# Altium PCB PCB22.PcbDoc (part 5 of 16)
Units mm, origin at the board's own origin, x right, y up, seen from the top; angles counter-clockwise.
Board outline 233.7 x 110.51 mm, 4 copper layers (Top Layer, Layer 1, Layer 2, Bottom Layer), stack 0.603 mm thick; 1249 components, 1355 nets, 4549 pads, 1315 vias.
Unrouted connection lines stored in the file: 1569.
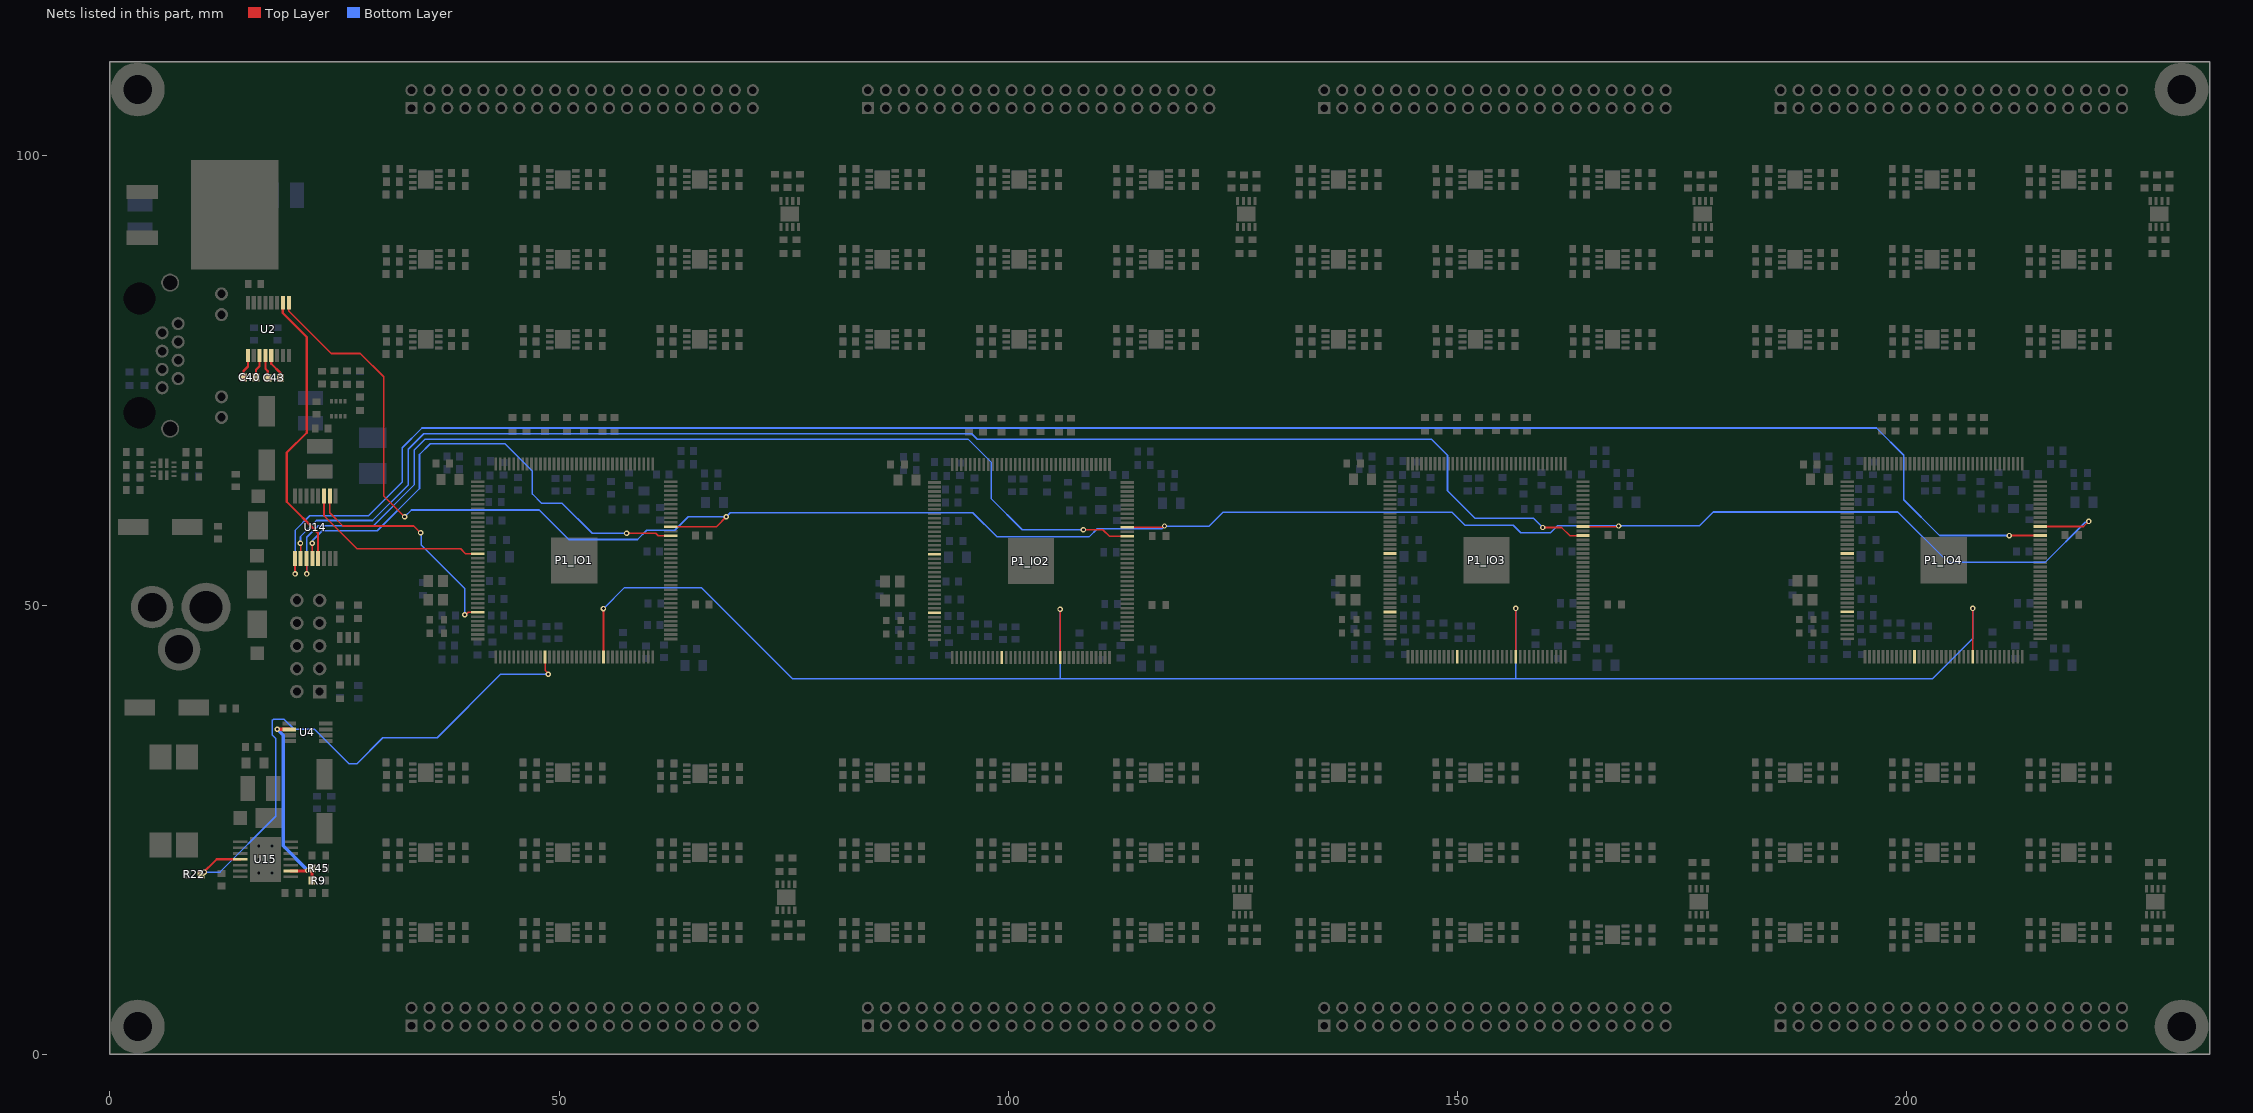
[diagram p7: the nets of this part, all layers, seen from the top]

## Part data (continued)
C20 C30 C31 C34_U_VoltageAmplifier11 C34_U_VoltageAmplifier12 C34_U_VoltageAmplifier13 C34_U_VoltageAmplifier14 C34_U_VoltageAmplifier21 C34_U_VoltageAmplifier22 C34_U_VoltageAmplifier23 C34_U_VoltageAmplifier24 C34_U_VoltageAmplifier31 C34_U_VoltageAmplifier32 C34_U_VoltageAmplifier33 C34_U_VoltageAmplifier34 C34_U_VoltageAmplifier41 C34_U_VoltageAmplifier42 C34_U_VoltageAmplifier43 C34_U_VoltageAmplifier44 C34_U_VoltageAmplifier51 C34_U_VoltageAmplifier52 C34_U_VoltageAmplifier53 C34_U_VoltageAmplifier54 C34_U_VoltageAmplifier61 C34_U_VoltageAmplifier62 C34_U_VoltageAmplifier63 C34_U_VoltageAmplifier64 C34_U_VoltageAmplifier71 C34_U_VoltageAmplifier72 C34_U_VoltageAmplifier73 C34_U_VoltageAmplifier74 C34_U_VoltageAmplifier81 C34_U_VoltageAmplifier82 C34_U_VoltageAmplifier83 C34_U_VoltageAmplifier84 C34_U_VoltageAmplifier91 C34_U_VoltageAmplifier92 C34_U_VoltageAmplifier93 C34_U_VoltageAmplifier94 C34_U_VoltageAmplifier101 C34_U_VoltageAmplifier102 C34_U_VoltageAmplifier103 C34_U_VoltageAmplifier104 C34_U_VoltageAmplifier111 C34_U_VoltageAmplifier112 C34_U_VoltageAmplifier113 C34_U_VoltageAmplifier114 C34_U_VoltageAmplifier121 C34_U_VoltageAmplifier122 C34_U_VoltageAmplifier123 C34_U_VoltageAmplifier124 C34_U_VoltageAmplifier131 C34_U_VoltageAmplifier132 C34_U_VoltageAmplifier133 C34_U_VoltageAmplifier134 C34_U_VoltageAmplifier141 C34_U_VoltageAmplifier142 C34_U_VoltageAmplifier143 C34_U_VoltageAmplifier144 C34_U_VoltageAmplifier151 C34_U_VoltageAmplifier152 C34_U_VoltageAmplifier153 C34_U_VoltageAmplifier154 C34_U_VoltageAmplifier161 C34_U_VoltageAmplifier162 C34_U_VoltageAmplifier163 C34_U_VoltageAmplifier164 C34_U_VoltageAmplifier171 C34_U_VoltageAmplifier172 C34_U_VoltageAmplifier173 C34_U_VoltageAmplifier174 C34_U_VoltageAmplifier181 C34_U_VoltageAmplifier182 C34_U_VoltageAmplifier183 C34_U_VoltageAmplifier184 C34_U_VoltageAmplifier191 C34_U_VoltageAmplifier192 C34_U_VoltageAmplifier193 C34_U_VoltageAmplifier194 C34_U_VoltageAmplifier201 C34_U_VoltageAmplifier202 C34_U_VoltageAmplifier203 C34_U_VoltageAmplifier204 C34_U_VoltageAmplifier211 C34_U_VoltageAmplifier212 C34_U_VoltageAmplifier213 C34_U_VoltageAmplifier214 C34_U_VoltageAmplifier221 C34_U_VoltageAmplifier222 C34_U_VoltageAmplifier223 C34_U_VoltageAmplifier224 C34_U_VoltageAmplifier231 C34_U_VoltageAmplifier232 C34_U_VoltageAmplifier233 C34_U_VoltageAmplifier234 C34_U_VoltageAmplifier241 C34_U_VoltageAmplifier242 C34_U_VoltageAmplifier243 C34_U_VoltageAmplifier244 C34_U_VoltageAmplifier251 C34_U_VoltageAmplifier252 C34_U_VoltageAmplifier253 C34_U_VoltageAmplifier254 C34_U_VoltageAmplifier261 C34_U_VoltageAmplifier262 C34_U_VoltageAmplifier263 C34_U_VoltageAmplifier264 C34_U_VoltageAmplifier271 C34_U_VoltageAmplifier272 C34_U_VoltageAmplifier273 C34_U_VoltageAmplifier274 C34_U_VoltageAmplifier281 C34_U_VoltageAmplifier282 C34_U_VoltageAmplifier283 C34_U_VoltageAmplifier284 C34_U_VoltageAmplifier291 C34_U_VoltageAmplifier292 C34_U_VoltageAmplifier293 C34_U_VoltageAmplifier294 C34_U_VoltageAmplifier301 C34_U_VoltageAmplifier302 C34_U_VoltageAmplifier303 C34_U_VoltageAmplifier304 C34_U_VoltageAmplifier311 C34_U_VoltageAmplifier312 C34_U_VoltageAmplifier313 C34_U_VoltageAmplifier314 C34_U_VoltageAmplifier321 C34_U_VoltageAmplifier322 C34_U_VoltageAmplifier323 C34_U_VoltageAmplifier324 C34_U_VoltageAmplifier331 C34_U_VoltageAmplifier332 C34_U_VoltageAmplifier333 C34_U_VoltageAmplifier334 C34_U_VoltageAmplifier341 C34_U_VoltageAmplifier342 C34_U_VoltageAmplifier343 C34_U_VoltageAmplifier344 C34_U_VoltageAmplifier351 C34_U_VoltageAmplifier352 C34_U_VoltageAmplifier353 C34_U_VoltageAmplifier354 C34_U_VoltageAmplifier361 C34_U_VoltageAmplifier362 C34_U_VoltageAmplifier363 C34_U_VoltageAmplifier364 C34_U_VoltageAmplifier371 C34_U_VoltageAmplifier372 C34_U_VoltageAmplifier373 C34_U_VoltageAmplifier374 C34_U_VoltageAmplifier381 C34_U_VoltageAmplifier382 C34_U_VoltageAmplifier383 C34_U_VoltageAmplifier384 C40 C41 C42 C43 C44: library part Cap, "Multilayer Ceramic Capacitors MLCC - SMD/SMT 50V 0.1uF 0603 X7R 20%", Mfr=KEMET, Mfr Part No=C0603C104M5RACTU, Package=0603, PRICE=0.101, Stockiest=MOUSER, Stockiest Part No=80-C0603C104M5R
C21: library part Cap, "Multilayer Ceramic Capacitors MLCC - SMD/SMT 63V 1000pF 0603 X7R 10% AEC-Q200", Mfr=KEMET, Mfr Part No=80-C0603C102KMREAUTO, Package=0603, PRICE=0.201, Stockiest=MOUSER, Stockiest Part No=C0603C102KMRECAUTO
C22: library part Cap, "Multilayer Ceramic Capacitors MLCC - SMD/SMT 0603 50VDC 6.8nF 5% C0G AEC-Q200", Mfr=TDK, Mfr Part No=CGA3E2C0G1H682J080AE, Package=0603, PRICE=0.363, Stockiest=MOUSER, Stockiest Part No=810-CGA3E2C0G1H682J8
C25 C36 C37 C38 C39: library part Cap, "Multilayer Ceramic Capacitors MLCC - SMD/SMT 50V 10pF 0603 C0G 5% AEC-Q200", Mfr=KEMET, Mfr Part No=C0603C100J5GACAUTO, Package=0603, PRICE=0.192, Stockiest=MOUSER, Stockiest Part No=80-C0603C100J5GAUTO
C32 C74 C75 C77 C78: library part Cap, "Multilayer Ceramic Capacitors MLCC - SMD/SMT 0603 2.2uF 20% 50VDC X5R", Mfr="Murata Electronics", Mfr Part No=GRM188R61H225ME11J, Package=0603, PRICE=0.333, Stockiest=MOUSER, Stockiest Part No=81-GRM188R61H225ME1J
C33 C73 C76 C79: library part "Cap Pol1", "Polarized Capacitor (Radial)", Mfr=Panasonic, Mfr Part No=EEE-FN1J100L, Package=SMD, PRICE=0.484, Stockiest=MOUSER, Stockiest Part No=667-EEE-FN1J100L
C35 C63: library part Cap, "Multilayer Ceramic Capacitors MLCC - SMD/SMT 50V 0.047uF 0603 X7R 10%", Mfr=KEMET, Mfr Part No=C0603C473K5RAC7411, Package=0603, PRICE=0.121, Stockiest=MOUSER, Stockiest Part No=80-C0603C473K5RLR
D1_IO1 D1_IO2 D1_IO3 D1_IO4 D2_IO1 D2_IO2 D2_IO3 D2_IO4 D3: library part LED, "Standard LEDs - SMD Red 631nm 14mcd 5mA", Mfr=Lite-On, Mfr Part No=LTST-C193KRKT-5A, Package=0603, PRICE=0.393, Stockiest=MOUSER, Stockiest Part No=859-LTSTC193KRKT5A
D4 D5 D6 D7: "Schottky Diodes & Rectifiers 8A 100V", Mfr="Vishay General Semiconductor", Mfr Part No=V8PAM10S-M3/H, PRICE=0.39, Stockiest=MOUSER, Stockiest Part No=78-V8PAM10S-M3/H
J1: "Modular Connectors / Ethernet Connectors R/A RJ45 SHEILDED 8 CONT Y/G LEDS", Mfr="Amphenol Commercial Products", Mfr Part No=RJHSE-5381, PRICE=1.77, Stockiest=MOUSER, Stockiest Part No=523-RJHSE-5381
J2: "Connector", Manufacturer_Name="CUI Devices", Mouser Part Number=490-PJ-002BH, Arrow Part Number=PJ-002BH, Arrow Price/Stock=https://www.arrow.com/en/products/pj-002bh/cui-devices, Datasheet Link=https://componentsearchengine.com/Datasheets/1/PJ-002BH.pdf, Height=11mm, Manufacturer_Part_Number=PJ-002BH, Mouser Price/Stock=https://www.mouser.co.uk/ProductDetail/CUI-Devices/PJ-002BH?qs=WyjlAZoYn51nOX1h%2FqpLlg%3D%3D
L1_POWER1 L1_POWER2 L1_POWER3 L1_POWER4 L3_POWER1 L3_POWER2 L3_POWER3 L3_POWER4: library part 0805_IND, "Ferrite Beads 100ohms 1A 60mOhms 0603 Ferrite Chip", Mfr=TDK, Mfr Part No=MPZ1608D101BTA00, Package=0603, PRICE=0.10, Stockiest=MOUSER, Stockiest Part No=810-MPZ1608D101BTA00
L4: library part INDUCTOR, "Fixed Inductors 2.2uH 20% High Temp AEC-Q200", Mfr="Vishay / Dale", Mfr Part No=IHLP1616BZER2R2M5A, PRICE=1.36, Stockiest=MOUSER, Stockiest Part No=70-IHLP1616BZR2R2M5A
L6: library part INDUCTOR, "Fixed Inductors 22uH 2.9A 20% SMD PWR INDUCTOR", Mfr=Sumida, Mfr Part No=CDRH124NP-220MC, PRICE=1.42, Stockiest=MOUSER, Stockiest Part No=851-CDRH124NP-220MC
P1_IO1 P1_IO2 P1_IO3 P1_IO4: "FPGA - Field Programmable Gate Array non-volatile FPGA, 101 I/O, 144EQFP", Mfr="Intel / Altera", Mfr Part No=10M04SCE144C8G, Package=EQFP144, PRICE=11.52, Stockiest=MOUSER, Stockiest Part No=989-10M04SCE144C8G
P3: library part "Header 5X2", "Header, 5-Pin, Dual row", Stockiest=MOUSER
P_E_1 P_E_2 P_E_3 P_E_4 P_O_1 P_O_2 P_O_3 P_O_4: "Headers & Wire Housings 2X20 POS VERT TIN", Mfr="TE Connectivity / AMP", Mfr Part No=2-826942-0, Package=DIN, PRICE=2.5, Stockiest=MOUSER, Stockiest Part No=571-2-826942-0
R1_IO1 R1_IO2 R1_IO3 R1_IO4 R2_IO1 R2_IO2 R2_IO3 R2_IO4 R3_IO1 R3_IO2 R3_IO3 R3_IO4 R4_IO1 R4_IO2 R4_IO3 R4_IO4 R5_IO1 R5_IO2 R5_IO3 R5_IO4 R6_IO1 R6_IO2 R6_IO3 R6_IO4 R7_IO1 R7_IO2 R7_IO3 R7_IO4 R9 R10 R11 R17 R22 R23 R24 R25 R30 R31 R32 R33 R34 R37 R44 R46: library part Res1, "Thick Film Resistors - SMD 0603 10Kohms 1% Anti-Sulfur AEC-Q200", Mfr="ROHM Semiconductor", Mfr Part No=SFR03EZPF1002, Package=0603, PRICE=0.101, Stockiest=MOUSER, Stockiest Part No=755-SFR03EZPF1002
R8_IO1 R8_IO2 R8_IO3 R8_IO4 R21_IO1 R21_IO2 R21_IO3 R21_IO4: library part Res1, "Thick Film Resistors - SMD 1/10Watt 220ohms 5% Commercial Use", Mfr="Vishay / Dale", Mfr Part No=CRCW0603220RJNEAC, Package=0603, PRICE=0.101, Stockiest=MOUSER, Stockiest Part No=71-CRCW0603220RJNEAC
R12 R13_IO1 R13_IO2 R13_IO3 R13_IO4 R26_U_VoltageAmplifier11 R26_U_VoltageAmplifier12 R26_U_VoltageAmplifier13 R26_U_VoltageAmplifier14 R26_U_VoltageAmplifier21 R26_U_VoltageAmplifier22 R26_U_VoltageAmplifier23 R26_U_VoltageAmplifier24 R26_U_VoltageAmplifier31 R26_U_VoltageAmplifier32 R26_U_VoltageAmplifier33 R26_U_VoltageAmplifier34 R26_U_VoltageAmplifier41 R26_U_VoltageAmplifier42 R26_U_VoltageAmplifier43 R26_U_VoltageAmplifier44 R26_U_VoltageAmplifier51 R26_U_VoltageAmplifier52 R26_U_VoltageAmplifier53 R26_U_VoltageAmplifier54 R26_U_VoltageAmplifier61 R26_U_VoltageAmplifier62 R26_U_VoltageAmplifier63 R26_U_VoltageAmplifier64 R26_U_VoltageAmplifier71 R26_U_VoltageAmplifier72 R26_U_VoltageAmplifier73 R26_U_VoltageAmplifier74 R26_U_VoltageAmplifier81 R26_U_VoltageAmplifier82 R26_U_VoltageAmplifier83 R26_U_VoltageAmplifier84 R26_U_VoltageAmplifier91 R26_U_VoltageAmplifier92 R26_U_VoltageAmplifier93 R26_U_VoltageAmplifier94 R26_U_VoltageAmplifier101 R26_U_VoltageAmplifier102 R26_U_VoltageAmplifier103 R26_U_VoltageAmplifier104 R26_U_VoltageAmplifier111 R26_U_VoltageAmplifier112 R26_U_VoltageAmplifier113 R26_U_VoltageAmplifier114 R26_U_VoltageAmplifier121 R26_U_VoltageAmplifier122 R26_U_VoltageAmplifier123 R26_U_VoltageAmplifier124 R26_U_VoltageAmplifier131 R26_U_VoltageAmplifier132 R26_U_VoltageAmplifier133 R26_U_VoltageAmplifier134 R26_U_VoltageAmplifier141 R26_U_VoltageAmplifier142 R26_U_VoltageAmplifier143 R26_U_VoltageAmplifier144 R26_U_VoltageAmplifier151 R26_U_VoltageAmplifier152 R26_U_VoltageAmplifier153 R26_U_VoltageAmplifier154 R26_U_VoltageAmplifier161 R26_U_VoltageAmplifier162 R26_U_VoltageAmplifier163 R26_U_VoltageAmplifier164 R26_U_VoltageAmplifier171 R26_U_VoltageAmplifier172 R26_U_VoltageAmplifier173 R26_U_VoltageAmplifier174 R26_U_VoltageAmplifier181 R26_U_VoltageAmplifier182 R26_U_VoltageAmplifier183 R26_U_VoltageAmplifier184 R26_U_VoltageAmplifier191 R26_U_VoltageAmplifier192 R26_U_VoltageAmplifier193 R26_U_VoltageAmplifier194 R26_U_VoltageAmplifier201 R26_U_VoltageAmplifier202 R26_U_VoltageAmplifier203 R26_U_VoltageAmplifier204 R26_U_VoltageAmplifier211 R26_U_VoltageAmplifier212 R26_U_VoltageAmplifier213 R26_U_VoltageAmplifier214 R26_U_VoltageAmplifier221 R26_U_VoltageAmplifier222 R26_U_VoltageAmplifier223 R26_U_VoltageAmplifier224 R26_U_VoltageAmplifier231 R26_U_VoltageAmplifier232 R26_U_VoltageAmplifier233 R26_U_VoltageAmplifier234 R26_U_VoltageAmplifier241 R26_U_VoltageAmplifier242 R26_U_VoltageAmplifier243 R26_U_VoltageAmplifier244 R26_U_VoltageAmplifier251 R26_U_VoltageAmplifier252 R26_U_VoltageAmplifier253 R26_U_VoltageAmplifier254 R26_U_VoltageAmplifier261 R26_U_VoltageAmplifier262 R26_U_VoltageAmplifier263 R26_U_VoltageAmplifier264 R26_U_VoltageAmplifier271 R26_U_VoltageAmplifier272 R26_U_VoltageAmplifier273 R26_U_VoltageAmplifier274 R26_U_VoltageAmplifier281 R26_U_VoltageAmplifier282 R26_U_VoltageAmplifier283 R26_U_VoltageAmplifier284 R26_U_VoltageAmplifier291 R26_U_VoltageAmplifier292 R26_U_VoltageAmplifier293 R26_U_VoltageAmplifier294 R26_U_VoltageAmplifier301 R26_U_VoltageAmplifier302 R26_U_VoltageAmplifier303 R26_U_VoltageAmplifier304 R26_U_VoltageAmplifier311 R26_U_VoltageAmplifier312 R26_U_VoltageAmplifier313 R26_U_VoltageAmplifier314 R26_U_VoltageAmplifier321 R26_U_VoltageAmplifier322 R26_U_VoltageAmplifier323 R26_U_VoltageAmplifier324 R26_U_VoltageAmplifier331 R26_U_VoltageAmplifier332 R26_U_VoltageAmplifier333 R26_U_VoltageAmplifier334 R26_U_VoltageAmplifier341 R26_U_VoltageAmplifier342 R26_U_VoltageAmplifier343 R26_U_VoltageAmplifier344 R26_U_VoltageAmplifier351 R26_U_VoltageAmplifier352 R26_U_VoltageAmplifier353 R26_U_VoltageAmplifier354 R26_U_VoltageAmplifier361 R26_U_VoltageAmplifier362 R26_U_VoltageAmplifier363 R26_U_VoltageAmplifier364 R26_U_VoltageAmplifier371 R26_U_VoltageAmplifier372 R26_U_VoltageAmplifier373 R26_U_VoltageAmplifier374 R26_U_VoltageAmplifier381 R26_U_VoltageAmplifier382 R26_U_VoltageAmplifier383 R26_U_VoltageAmplifier384 R28_U_VoltageAmplifier11 R28_U_VoltageAmplifier12 R28_U_VoltageAmplifier13 R28_U_VoltageAmplifier14 R28_U_VoltageAmplifier21 R28_U_VoltageAmplifier22 R28_U_VoltageAmplifier23 R28_U_VoltageAmplifier24 R28_U_VoltageAmplifier31 R28_U_VoltageAmplifier32 R28_U_VoltageAmplifier33 R28_U_VoltageAmplifier34 R28_U_VoltageAmplifier41 R28_U_VoltageAmplifier42 R28_U_VoltageAmplifier43 R28_U_VoltageAmplifier44 R28_U_VoltageAmplifier51 R28_U_VoltageAmplifier52 R28_U_VoltageAmplifier53 R28_U_VoltageAmplifier54 R28_U_VoltageAmplifier61 R28_U_VoltageAmplifier62 R28_U_VoltageAmplifier63 R28_U_VoltageAmplifier64 R28_U_VoltageAmplifier71 R28_U_VoltageAmplifier72 R28_U_VoltageAmplifier73 R28_U_VoltageAmplifier74 R28_U_VoltageAmplifier81 R28_U_VoltageAmplifier82 R28_U_VoltageAmplifier83 R28_U_VoltageAmplifier84 R28_U_VoltageAmplifier91 R28_U_VoltageAmplifier92 R28_U_VoltageAmplifier93 R28_U_VoltageAmplifier94 R28_U_VoltageAmplifier101 R28_U_VoltageAmplifier102 R28_U_VoltageAmplifier103 R28_U_VoltageAmplifier104 R28_U_VoltageAmplifier111 R28_U_VoltageAmplifier112 R28_U_VoltageAmplifier113 R28_U_VoltageAmplifier114 R28_U_VoltageAmplifier121 R28_U_VoltageAmplifier122 R28_U_VoltageAmplifier123 R28_U_VoltageAmplifier124 R28_U_VoltageAmplifier131 R28_U_VoltageAmplifier132 R28_U_VoltageAmplifier133 R28_U_VoltageAmplifier134 R28_U_VoltageAmplifier141 R28_U_VoltageAmplifier142 R28_U_VoltageAmplifier143 R28_U_VoltageAmplifier144 R28_U_VoltageAmplifier151 R28_U_VoltageAmplifier152 R28_U_VoltageAmplifier153 R28_U_VoltageAmplifier154 R28_U_VoltageAmplifier161 R28_U_VoltageAmplifier162 R28_U_VoltageAmplifier163 R28_U_VoltageAmplifier164 R28_U_VoltageAmplifier171 R28_U_VoltageAmplifier172 R28_U_VoltageAmplifier173 R28_U_VoltageAmplifier174 R28_U_VoltageAmplifier181 R28_U_VoltageAmplifier182 R28_U_VoltageAmplifier183 R28_U_VoltageAmplifier184 R28_U_VoltageAmplifier191 R28_U_VoltageAmplifier192 R28_U_VoltageAmplifier193 R28_U_VoltageAmplifier194 R28_U_VoltageAmplifier201 R28_U_VoltageAmplifier202 R28_U_VoltageAmplifier203 R28_U_VoltageAmplifier204 R28_U_VoltageAmplifier211 R28_U_VoltageAmplifier212 R28_U_VoltageAmplifier213 R28_U_VoltageAmplifier214 R28_U_VoltageAmplifier221 R28_U_VoltageAmplifier222 R28_U_VoltageAmplifier223 R28_U_VoltageAmplifier224 R28_U_VoltageAmplifier231 R28_U_VoltageAmplifier232 R28_U_VoltageAmplifier233 R28_U_VoltageAmplifier234 R28_U_VoltageAmplifier241 R28_U_VoltageAmplifier242 R28_U_VoltageAmplifier243 R28_U_VoltageAmplifier244 R28_U_VoltageAmplifier251 R28_U_VoltageAmplifier252 R28_U_VoltageAmplifier253 R28_U_VoltageAmplifier254 R28_U_VoltageAmplifier261 R28_U_VoltageAmplifier262 R28_U_VoltageAmplifier263 R28_U_VoltageAmplifier264 R28_U_VoltageAmplifier271 R28_U_VoltageAmplifier272 R28_U_VoltageAmplifier273 R28_U_VoltageAmplifier274 R28_U_VoltageAmplifier281 R28_U_VoltageAmplifier282 R28_U_VoltageAmplifier283 R28_U_VoltageAmplifier284 R28_U_VoltageAmplifier291 R28_U_VoltageAmplifier292 R28_U_VoltageAmplifier293 R28_U_VoltageAmplifier294 R28_U_VoltageAmplifier301 R28_U_VoltageAmplifier302 R28_U_VoltageAmplifier303 R28_U_VoltageAmplifier304 R28_U_VoltageAmplifier311 R28_U_VoltageAmplifier312 R28_U_VoltageAmplifier313 R28_U_VoltageAmplifier314 R28_U_VoltageAmplifier321 R28_U_VoltageAmplifier322 R28_U_VoltageAmplifier323 R28_U_VoltageAmplifier324 R28_U_VoltageAmplifier331 R28_U_VoltageAmplifier332 R28_U_VoltageAmplifier333 R28_U_VoltageAmplifier334 R28_U_VoltageAmplifier341 R28_U_VoltageAmplifier342 R28_U_VoltageAmplifier343 R28_U_VoltageAmplifier344 R28_U_VoltageAmplifier351 R28_U_VoltageAmplifier352 R28_U_VoltageAmplifier353 R28_U_VoltageAmplifier354 R28_U_VoltageAmplifier361 R28_U_VoltageAmplifier362 R28_U_VoltageAmplifier363 R28_U_VoltageAmplifier364 R28_U_VoltageAmplifier371 R28_U_VoltageAmplifier372 R28_U_VoltageAmplifier373 R28_U_VoltageAmplifier374 R28_U_VoltageAmplifier381 R28_U_VoltageAmplifier382 R28_U_VoltageAmplifier383 R28_U_VoltageAmplifier384 R38 R43 R49: library part Res1, "Resistor", Mfr="Vishay / Dale", Mfr Part No=CRCW06031K00FKEAC, Package=0603, PRICE=0.1, Stockiest=MOUSER, Stockiest Part No=71-CRCW06031K00FKEAC
R14_IO1 R14_IO2 R14_IO3 R14_IO4 R20_IO1 R20_IO2 R20_IO3 R20_IO4: library part Res1, "Thick Film Resistors - SMD 1/10Watt 4.7Kohms 5% Commercial Use", Mfr="Vishay / Dale", Mfr Part No=CRCW06034K70JNEAC, Package=0603, PRICE=0.101, Stockiest=MOUSER, Stockiest Part No=71-CRCW06034K70JNEAC
R15: library part Res1, "Thick Film Resistors - SMD 0603 1% 604Kohm Anti-Sulfur AEC-Q200", Mfr=Panasonic, Mfr Part No=ERJ-U03F6043V, Package=0603, PRICE=0.221, Stockiest=MOUSER, Stockiest Part No=667-ERJ-U03F6043V
R16: library part Res1, "Thick Film Resistors - SMD 0603 0.25W 1% 20ohm AEC-Q200", Mfr=Panasonic, Mfr Part No=ERJ-UP3F20R0V, Package=0603, PRICE=0.262, Stockiest=MOUSER, Stockiest Part No=667-ERJ-UP3F20R0V
R18 R36 R42: library part Res1, "Thick Film Resistors - SMD 0603 Anti-Surge Res. 0.1%, 40.2Koh", Mfr=Panasonic, Mfr Part No=ERJ-PB3B4022V, Package=0603, PRICE=0.252, Stockiest=MOUSER, Stockiest Part No=667-ERJ-PB3B4022V
R19: library part Res1, "Thick Film Resistors - SMD 0603 Anti-Surge Res. 0.1%, 7.68Koh", Mfr=Panasonic, Mfr Part No=ERJ-PB3B7681V, Package=0603, PRICE=0.252, Stockiest=MOUSER, Stockiest Part No=667-ERJ-PB3B7681V
R27_U_VoltageAmplifier11 R27_U_VoltageAmplifier12 R27_U_VoltageAmplifier13 R27_U_VoltageAmplifier14 R27_U_VoltageAmplifier21 R27_U_VoltageAmplifier22 R27_U_VoltageAmplifier23 R27_U_VoltageAmplifier24 R27_U_VoltageAmplifier31 R27_U_VoltageAmplifier32 R27_U_VoltageAmplifier33 R27_U_VoltageAmplifier34 R27_U_VoltageAmplifier41 R27_U_VoltageAmplifier42 R27_U_VoltageAmplifier43 R27_U_VoltageAmplifier44 R27_U_VoltageAmplifier51 R27_U_VoltageAmplifier52 R27_U_VoltageAmplifier53 R27_U_VoltageAmplifier54 R27_U_VoltageAmplifier61 R27_U_VoltageAmplifier62 R27_U_VoltageAmplifier63 R27_U_VoltageAmplifier64 R27_U_VoltageAmplifier71 R27_U_VoltageAmplifier72 R27_U_VoltageAmplifier73 R27_U_VoltageAmplifier74 R27_U_VoltageAmplifier81 R27_U_VoltageAmplifier82 R27_U_VoltageAmplifier83 R27_U_VoltageAmplifier84 R27_U_VoltageAmplifier91 R27_U_VoltageAmplifier92 R27_U_VoltageAmplifier93 R27_U_VoltageAmplifier94 R27_U_VoltageAmplifier101 R27_U_VoltageAmplifier102 R27_U_VoltageAmplifier103 R27_U_VoltageAmplifier104 R27_U_VoltageAmplifier111 R27_U_VoltageAmplifier112 R27_U_VoltageAmplifier113 R27_U_VoltageAmplifier114 R27_U_VoltageAmplifier121 R27_U_VoltageAmplifier122 R27_U_VoltageAmplifier123 R27_U_VoltageAmplifier124 R27_U_VoltageAmplifier131 R27_U_VoltageAmplifier132 R27_U_VoltageAmplifier133 R27_U_VoltageAmplifier134 R27_U_VoltageAmplifier141 R27_U_VoltageAmplifier142 R27_U_VoltageAmplifier143 R27_U_VoltageAmplifier144 R27_U_VoltageAmplifier151 R27_U_VoltageAmplifier152 R27_U_VoltageAmplifier153 R27_U_VoltageAmplifier154 R27_U_VoltageAmplifier161 R27_U_VoltageAmplifier162 R27_U_VoltageAmplifier163 R27_U_VoltageAmplifier164 R27_U_VoltageAmplifier171 R27_U_VoltageAmplifier172 R27_U_VoltageAmplifier173 R27_U_VoltageAmplifier174 R27_U_VoltageAmplifier181 R27_U_VoltageAmplifier182 R27_U_VoltageAmplifier183 R27_U_VoltageAmplifier184 R27_U_VoltageAmplifier191 R27_U_VoltageAmplifier192 R27_U_VoltageAmplifier193 R27_U_VoltageAmplifier194 R27_U_VoltageAmplifier201 R27_U_VoltageAmplifier202 R27_U_VoltageAmplifier203 R27_U_VoltageAmplifier204 R27_U_VoltageAmplifier211 R27_U_VoltageAmplifier212 R27_U_VoltageAmplifier213 R27_U_VoltageAmplifier214 R27_U_VoltageAmplifier221 R27_U_VoltageAmplifier222 R27_U_VoltageAmplifier223 R27_U_VoltageAmplifier224 R27_U_VoltageAmplifier231 R27_U_VoltageAmplifier232 R27_U_VoltageAmplifier233 R27_U_VoltageAmplifier234 R27_U_VoltageAmplifier241 R27_U_VoltageAmplifier242 R27_U_VoltageAmplifier243 R27_U_VoltageAmplifier244 R27_U_VoltageAmplifier251 R27_U_VoltageAmplifier252 R27_U_VoltageAmplifier253 R27_U_VoltageAmplifier254 R27_U_VoltageAmplifier261 R27_U_VoltageAmplifier262 R27_U_VoltageAmplifier263 R27_U_VoltageAmplifier264 R27_U_VoltageAmplifier271 R27_U_VoltageAmplifier272 R27_U_VoltageAmplifier273 R27_U_VoltageAmplifier274 R27_U_VoltageAmplifier281 R27_U_VoltageAmplifier282 R27_U_VoltageAmplifier283 R27_U_VoltageAmplifier284 R27_U_VoltageAmplifier291 R27_U_VoltageAmplifier292 R27_U_VoltageAmplifier293 R27_U_VoltageAmplifier294 R27_U_VoltageAmplifier301 R27_U_VoltageAmplifier302 R27_U_VoltageAmplifier303 R27_U_VoltageAmplifier304 R27_U_VoltageAmplifier311 R27_U_VoltageAmplifier312 R27_U_VoltageAmplifier313 R27_U_VoltageAmplifier314 R27_U_VoltageAmplifier321 R27_U_VoltageAmplifier322 R27_U_VoltageAmplifier323 R27_U_VoltageAmplifier324 R27_U_VoltageAmplifier331 R27_U_VoltageAmplifier332 R27_U_VoltageAmplifier333 R27_U_VoltageAmplifier334 R27_U_VoltageAmplifier341 R27_U_VoltageAmplifier342 R27_U_VoltageAmplifier343 R27_U_VoltageAmplifier344 R27_U_VoltageAmplifier351 R27_U_VoltageAmplifier352 R27_U_VoltageAmplifier353 R27_U_VoltageAmplifier354 R27_U_VoltageAmplifier361 R27_U_VoltageAmplifier362 R27_U_VoltageAmplifier363 R27_U_VoltageAmplifier364 R27_U_VoltageAmplifier371 R27_U_VoltageAmplifier372 R27_U_VoltageAmplifier373 R27_U_VoltageAmplifier374 R27_U_VoltageAmplifier381 R27_U_VoltageAmplifier382 R27_U_VoltageAmplifier383 R27_U_VoltageAmplifier384 R29_U_VoltageAmplifier11 R29_U_VoltageAmplifier12 R29_U_VoltageAmplifier13 R29_U_VoltageAmplifier14 R29_U_VoltageAmplifier21 R29_U_VoltageAmplifier22 R29_U_VoltageAmplifier23 R29_U_VoltageAmplifier24 R29_U_VoltageAmplifier31 R29_U_VoltageAmplifier32 R29_U_VoltageAmplifier33 R29_U_VoltageAmplifier34 R29_U_VoltageAmplifier41 R29_U_VoltageAmplifier42 R29_U_VoltageAmplifier43 R29_U_VoltageAmplifier44 R29_U_VoltageAmplifier51 R29_U_VoltageAmplifier52 R29_U_VoltageAmplifier53 R29_U_VoltageAmplifier54 R29_U_VoltageAmplifier61 R29_U_VoltageAmplifier62 R29_U_VoltageAmplifier63 R29_U_VoltageAmplifier64 R29_U_VoltageAmplifier71 R29_U_VoltageAmplifier72 R29_U_VoltageAmplifier73 R29_U_VoltageAmplifier74 R29_U_VoltageAmplifier81 R29_U_VoltageAmplifier82 R29_U_VoltageAmplifier83 R29_U_VoltageAmplifier84 R29_U_VoltageAmplifier91 R29_U_VoltageAmplifier92 R29_U_VoltageAmplifier93 R29_U_VoltageAmplifier94 R29_U_VoltageAmplifier101 R29_U_VoltageAmplifier102 R29_U_VoltageAmplifier103 R29_U_VoltageAmplifier104 R29_U_VoltageAmplifier111 R29_U_VoltageAmplifier112 R29_U_VoltageAmplifier113 R29_U_VoltageAmplifier114 R29_U_VoltageAmplifier121 R29_U_VoltageAmplifier122 R29_U_VoltageAmplifier123 R29_U_VoltageAmplifier124 R29_U_VoltageAmplifier131 R29_U_VoltageAmplifier132 R29_U_VoltageAmplifier133 R29_U_VoltageAmplifier134 R29_U_VoltageAmplifier141 R29_U_VoltageAmplifier142 R29_U_VoltageAmplifier143 R29_U_VoltageAmplifier144 R29_U_VoltageAmplifier151 R29_U_VoltageAmplifier152 R29_U_VoltageAmplifier153 R29_U_VoltageAmplifier154 R29_U_VoltageAmplifier161 R29_U_VoltageAmplifier162 R29_U_VoltageAmplifier163 R29_U_VoltageAmplifier164 R29_U_VoltageAmplifier171 R29_U_VoltageAmplifier172 R29_U_VoltageAmplifier173 R29_U_VoltageAmplifier174 R29_U_VoltageAmplifier181 R29_U_VoltageAmplifier182 R29_U_VoltageAmplifier183 R29_U_VoltageAmplifier184 R29_U_VoltageAmplifier191 R29_U_VoltageAmplifier192 R29_U_VoltageAmplifier193 R29_U_VoltageAmplifier194 R29_U_VoltageAmplifier201 R29_U_VoltageAmplifier202 R29_U_VoltageAmplifier203 R29_U_VoltageAmplifier204 R29_U_VoltageAmplifier211 R29_U_VoltageAmplifier212 R29_U_VoltageAmplifier213 R29_U_VoltageAmplifier214 R29_U_VoltageAmplifier221 R29_U_VoltageAmplifier222 R29_U_VoltageAmplifier223 R29_U_VoltageAmplifier224 R29_U_VoltageAmplifier231 R29_U_VoltageAmplifier232 R29_U_VoltageAmplifier233 R29_U_VoltageAmplifier234 R29_U_VoltageAmplifier241 R29_U_VoltageAmplifier242 R29_U_VoltageAmplifier243 R29_U_VoltageAmplifier244 R29_U_VoltageAmplifier251 R29_U_VoltageAmplifier252 R29_U_VoltageAmplifier253 R29_U_VoltageAmplifier254 R29_U_VoltageAmplifier261 R29_U_VoltageAmplifier262 R29_U_VoltageAmplifier263 R29_U_VoltageAmplifier264 R29_U_VoltageAmplifier271 R29_U_VoltageAmplifier272 R29_U_VoltageAmplifier273 R29_U_VoltageAmplifier274 R29_U_VoltageAmplifier281 R29_U_VoltageAmplifier282 R29_U_VoltageAmplifier283 R29_U_VoltageAmplifier284 R29_U_VoltageAmplifier291 R29_U_VoltageAmplifier292 R29_U_VoltageAmplifier293 R29_U_VoltageAmplifier294 R29_U_VoltageAmplifier301 R29_U_VoltageAmplifier302 R29_U_VoltageAmplifier303 R29_U_VoltageAmplifier304 R29_U_VoltageAmplifier311 R29_U_VoltageAmplifier312 R29_U_VoltageAmplifier313 R29_U_VoltageAmplifier314 R29_U_VoltageAmplifier321 R29_U_VoltageAmplifier322 R29_U_VoltageAmplifier323 R29_U_VoltageAmplifier324 R29_U_VoltageAmplifier331 R29_U_VoltageAmplifier332 R29_U_VoltageAmplifier333 R29_U_VoltageAmplifier334 R29_U_VoltageAmplifier341 R29_U_VoltageAmplifier342 R29_U_VoltageAmplifier343 R29_U_VoltageAmplifier344 R29_U_VoltageAmplifier351 R29_U_VoltageAmplifier352 R29_U_VoltageAmplifier353 R29_U_VoltageAmplifier354 R29_U_VoltageAmplifier361 R29_U_VoltageAmplifier362 R29_U_VoltageAmplifier363 R29_U_VoltageAmplifier364 R29_U_VoltageAmplifier371 R29_U_VoltageAmplifier372 R29_U_VoltageAmplifier373 R29_U_VoltageAmplifier374 R29_U_VoltageAmplifier381 R29_U_VoltageAmplifier382 R29_U_VoltageAmplifier383 R29_U_VoltageAmplifier384: library part Res1, "Thick Film Resistors - SMD 1/10watt 160ohms 1%", Mfr="Vishay / Dale", Mfr Part No=CRCW0603160RFKEA, Package=0603, PRICE=0.1, Stockiest=MOUSER, Stockiest Part No=71-CRCW0603-160-E3
R35 R39 R41: library part Res1, "Thin Film Resistors - SMD 13K ohm 0.1% 25 ppm", Mfr="KOA Speer", Mfr Part No=RN73R1JTTD1302B25, Package=0603, PRICE=0.503, Stockiest=MOUSER, Stockiest Part No=660-RN73R1JTD1302B25
R40: library part Res1, "Thick Film Resistors - SMD 20K OHM .1% 25PPM", Mfr="KOA Speer", Mfr Part No=RS73F1JTTD2002B, Package=0603, PRICE=0.61, Stockiest=MOUSER, Stockiest Part No=660-RS73F1JTTD2002B
R45: library part Res1, "Thick Film Resistors - SMD High Precision Flat Chip Resistor 0.1%", Mfr="KOA Speer", Mfr Part No=RS73F1JTTD4123B, Package=0603, PRICE=0.8, Stockiest=MOUSER, Stockiest Part No=660-RS73F1JTTD4123B
R47: library part Res1, "Thick Film Resistors - SMD 0603 5.23Kohms 1% AEC-Q200", Mfr=Panasonic, Mfr Part No=ERJ-3EKF5231V, Package=0603, PRICE=0.101, Stockiest=MOUSER, Stockiest Part No=667-ERJ-3EKF5231V
R48: library part Res1, "Thick Film Resistors - SMD 0603 86.6Kohms 1% AEC-Q200", Mfr=Panasonic, Mfr Part No=ERJ-3EKF8662V, Package=0603, PRICE=0.101, Stockiest=MOUSER, Stockiest Part No=667-ERJ-3EKF8662V
U1_IO1 U1_IO2 U1_IO3 U1_IO4: library part CRYSTAL, "Standard Clock Oscillators 25.0 MHZ 3.3V 50PPM SMD 32", Mfr=ABRACON, Mfr Part No=ASE-25.000MHZ-LC-T, PRICE=1.42, Stockiest=MOUSER, Stockiest Part No=815-ASE25.000MHZLCT
U2: "RS-232 Interface IC 3-5.5V Mult-Ch RS232", Mfr="Texas Instruments", Mfr Part No=MAX3232CPWR, PRICE=0.94, Stockiest=MOUSER, Stockiest Part No=595-MAX3232CPWR
U3: "Switching Voltage Regulators High-Efficiency, 3A, 18V, 1200kHz, Synchronous, Step-Down Converter", Mfr="Monolithic Power Systems (MPS)", Mfr Part No=MP2333HGTL-P, PRICE=1.89, Stockiest=MOUSER, Stockiest Part No=946-MP2333HGTL-P
U4: "Digital Potentiometer ICs Sngl 8B NV I2C Rheo", Mfr="Microchip Technology", Mfr Part No=MCP4562T-503E/MS, PRICE=0.97, Stockiest=MOUSER, Stockiest Part No=579-MCP4562T-503E/MS
U5: "Power Switch ICs - Power Distribution", Mfr="Texas Instruments", Mfr Part No=TPS2121RUXT, PRICE=2.40, Stockiest=MOUSER, Stockiest Part No=595-TPS2121RUXT
U6: "Integrated Circuit", Mfr=STMicroelectronics, Mfr Part No=LD1085D2T33R, PRICE=1.30, Stockiest=MOUSER, Stockiest Part No=511-LD1085D2T33-TR
U8: "ESD Suppressors / TVS Diodes LOW CAP TVS ARRAY 5.5V", Mfr="ON SEMI", Mfr Part No=NUP4114HMR6T1G, PRICE=0.534, Stockiest=MOUSER, Stockiest Part No=863-NUP4114HMR6T1G
U9_U_VoltageAmplifier11 U9_U_VoltageAmplifier12 U9_U_VoltageAmplifier13 U9_U_VoltageAmplifier14 U9_U_VoltageAmplifier21 U9_U_VoltageAmplifier22 U9_U_VoltageAmplifier23 U9_U_VoltageAmplifier24 U9_U_VoltageAmplifier31 U9_U_VoltageAmplifier32 U9_U_VoltageAmplifier33 U9_U_VoltageAmplifier34 U9_U_VoltageAmplifier41 U9_U_VoltageAmplifier42 U9_U_VoltageAmplifier43 U9_U_VoltageAmplifier44 U9_U_VoltageAmplifier51 U9_U_VoltageAmplifier52 U9_U_VoltageAmplifier53 U9_U_VoltageAmplifier54 U9_U_VoltageAmplifier61 U9_U_VoltageAmplifier62 U9_U_VoltageAmplifier63 U9_U_VoltageAmplifier64 U9_U_VoltageAmplifier71 U9_U_VoltageAmplifier72 U9_U_VoltageAmplifier73 U9_U_VoltageAmplifier74 U9_U_VoltageAmplifier81 U9_U_VoltageAmplifier82 U9_U_VoltageAmplifier83 U9_U_VoltageAmplifier84 U9_U_VoltageAmplifier91 U9_U_VoltageAmplifier92 U9_U_VoltageAmplifier93 U9_U_VoltageAmplifier94 U9_U_VoltageAmplifier101 U9_U_VoltageAmplifier102 U9_U_VoltageAmplifier103 U9_U_VoltageAmplifier104 U9_U_VoltageAmplifier111 U9_U_VoltageAmplifier112 U9_U_VoltageAmplifier113 U9_U_VoltageAmplifier114 U9_U_VoltageAmplifier121 U9_U_VoltageAmplifier122 U9_U_VoltageAmplifier123 U9_U_VoltageAmplifier124 U9_U_VoltageAmplifier131 U9_U_VoltageAmplifier132 U9_U_VoltageAmplifier133 U9_U_VoltageAmplifier134 U9_U_VoltageAmplifier141 U9_U_VoltageAmplifier142 U9_U_VoltageAmplifier143 U9_U_VoltageAmplifier144 U9_U_VoltageAmplifier151 U9_U_VoltageAmplifier152 U9_U_VoltageAmplifier153 U9_U_VoltageAmplifier154 U9_U_VoltageAmplifier161 U9_U_VoltageAmplifier162 U9_U_VoltageAmplifier163 U9_U_VoltageAmplifier164 U9_U_VoltageAmplifier171 U9_U_VoltageAmplifier172 U9_U_VoltageAmplifier173 U9_U_VoltageAmplifier174 U9_U_VoltageAmplifier181 U9_U_VoltageAmplifier182 U9_U_VoltageAmplifier183 U9_U_VoltageAmplifier184 U9_U_VoltageAmplifier191 U9_U_VoltageAmplifier192 U9_U_VoltageAmplifier193 U9_U_VoltageAmplifier194 U9_U_VoltageAmplifier201 U9_U_VoltageAmplifier202 U9_U_VoltageAmplifier203 U9_U_VoltageAmplifier204 U9_U_VoltageAmplifier211 U9_U_VoltageAmplifier212 U9_U_VoltageAmplifier213 U9_U_VoltageAmplifier214 U9_U_VoltageAmplifier221 U9_U_VoltageAmplifier222 U9_U_VoltageAmplifier223 U9_U_VoltageAmplifier224 U9_U_VoltageAmplifier231 U9_U_VoltageAmplifier232 U9_U_VoltageAmplifier233 U9_U_VoltageAmplifier234 U9_U_VoltageAmplifier241 U9_U_VoltageAmplifier242 U9_U_VoltageAmplifier243 U9_U_VoltageAmplifier244 U9_U_VoltageAmplifier251 U9_U_VoltageAmplifier252 U9_U_VoltageAmplifier253 U9_U_VoltageAmplifier254 U9_U_VoltageAmplifier261 U9_U_VoltageAmplifier262 U9_U_VoltageAmplifier263 U9_U_VoltageAmplifier264 U9_U_VoltageAmplifier271 U9_U_VoltageAmplifier272 U9_U_VoltageAmplifier273 U9_U_VoltageAmplifier274 U9_U_VoltageAmplifier281 U9_U_VoltageAmplifier282 U9_U_VoltageAmplifier283 U9_U_VoltageAmplifier284 U9_U_VoltageAmplifier291 U9_U_VoltageAmplifier292 U9_U_VoltageAmplifier293 U9_U_VoltageAmplifier294 U9_U_VoltageAmplifier301 U9_U_VoltageAmplifier302 U9_U_VoltageAmplifier303 U9_U_VoltageAmplifier304 U9_U_VoltageAmplifier311 U9_U_VoltageAmplifier312 U9_U_VoltageAmplifier313 U9_U_VoltageAmplifier314 U9_U_VoltageAmplifier321 U9_U_VoltageAmplifier322 U9_U_VoltageAmplifier323 U9_U_VoltageAmplifier324 U9_U_VoltageAmplifier331 U9_U_VoltageAmplifier332 U9_U_VoltageAmplifier333 U9_U_VoltageAmplifier334 U9_U_VoltageAmplifier341 U9_U_VoltageAmplifier342 U9_U_VoltageAmplifier343 U9_U_VoltageAmplifier344 U9_U_VoltageAmplifier351 U9_U_VoltageAmplifier352 U9_U_VoltageAmplifier353 U9_U_VoltageAmplifier354 U9_U_VoltageAmplifier361 U9_U_VoltageAmplifier362 U9_U_VoltageAmplifier363 U9_U_VoltageAmplifier364 U9_U_VoltageAmplifier371 U9_U_VoltageAmplifier372 U9_U_VoltageAmplifier373 U9_U_VoltageAmplifier374 U9_U_VoltageAmplifier381 U9_U_VoltageAmplifier382 U9_U_VoltageAmplifier383 U9_U_VoltageAmplifier384: "Gate Drivers Dual 1.5A Low Side Gate Driver", Mfr="IXYS Integrated Circuits", Mfr Part No=IX4427MTR, PRICE=0.97, Stockiest=MOUSER, Stockiest Part No=849-IX4427MTR
U14: "Encoders, Decoders, Multiplexers & Demultiplexers 8-INPUT MULTIPLEXER", Mfr=NEXPERIA, Mfr Part No=74HC151DB,118, PRICE=0.887, Stockiest=MOUSER, Stockiest Part No=771-HC151DB118
U15: library part TPS61175PWP, "Switching Voltage Regulators 3A High Vltg Boost Converter", Mfr="Texas Instruments", Mfr Part No=TPS61175PWPR, PRICE=3.06, Stockiest=MOUSER, Stockiest Part No=595-TPS61175PWPR

## Free pads (board coordinates)
  round 6 hole 3.2: ""(3.1,3.1) ""(3.1,107.4) ""(230.6,3.1) ""(230.6,107.4)

## Via types
v1: diameter 0.61, hole 0.305, Top Layer to Bottom Layer, 1315 vias

## Nets (pads, with @x,y where several pads share a name; then routed paths per layer and width w, separated by ;. In a path a pad name is that pad's centre, name@x,y a point inside that pad or via, vN(x,y) a via of type N, cw(c..) or ccw(c..) an arc to the next point about the centre after c; other vN are vias at no path point)
BANK_EN0: P1_IO1.17 U14.11 | length 21.1
  Top Layer w0.178: U14.11@23.831,62.169 23.831,59.943 27.498,56.276 39.036,56.276 39.583,55.729 P1_IO1.17@40.944,55.729
BANK_EN0_IO2: P1_IO2.17
BANK_EN0_IO3: P1_IO3.17
BANK_EN0_IO4: P1_IO4.17
BANK_EN1: P1_IO1.30 U14.10 | length 25.6
  Top Layer w0.178: U14.10@24.481,62.169 24.481,60.275 25.94,58.816 31.274,58.816 33.814,58.816 v1(34.576,58.054) ; v1(39.5,48.948) 39.617,48.948 39.898,49.229 P1_IO1.30@40.944,49.229
  Bottom Layer w0.178: v1@34.661,58.03 34.659,58.028 34.659,57.736 34.661,57.734 34.661,56.699 39.5,51.86 v1(39.5,48.948)
BANK_EN1_IO2: P1_IO2.30
BANK_EN1_IO3: P1_IO3.30
BANK_EN1_IO4: P1_IO4.30
BANK_EN2_IO1: P1_IO1.48 R22.2 U15.4 | length 65.5
  Top Layer w0.178: P1_IO1.48@48.432,44.241 48.432,42.746 48.8,42.378 v1(48.8,42.306)
  Top Layer w0.254: R22.2@10.128,20.04 10.205,20.04 11.878,21.713 U15.4@14.514,21.713
  Bottom Layer w0.178: v1(10.524,20.295) 12.258,20.295 18.457,26.494 18.457,35.152 18.066,35.543 18.066,37.18 18.17,37.284 19.416,37.284 20.508,36.193 22.772,36.193 26.629,32.336 27.464,32.336 30.374,35.246 36.418,35.246 43.478,42.306 v1(48.8,42.306)
BANK_EN2_IO2: P1_IO2.48
BANK_EN2_IO3: P1_IO3.48
BANK_EN2_IO4: P1_IO4.48
C1+: C40.2 U2.1 | length 2.6
  Top Layer w0.254: C40.2@14.856,75.354 14.856,76.069 15.357,76.569 U2.1@15.357,77.793
C1-: C40.1 U2.3 | length 2.6
  Top Layer w0.254: C40.1@16.256,75.354 16.256,76.199 16.657,76.599 U2.3@16.657,77.793
C2+: C43.2 U2.4 | length 2.6
  Top Layer w0.254: U2.4@17.307,77.793 17.307,76.319 17.576,76.05 C43.2@17.576,75.308
C2-: C43.1 U2.5 | length 2.9
  Top Layer w0.254: U2.5@17.957,77.793 17.957,76.878 18.976,75.859 C43.1@18.976,75.308
CMD_INT: P1_IO1.61 P1_IO2.61 P1_IO3.61 P1_IO4.61 | length 200.3
  Top Layer w0.178: P1_IO1.61@54.932,44.241 v1(54.932,49.619) v1@55.053,49.741 ; P1_IO2.61@105.76,44.175 v1(105.76,49.553) ; P1_IO3.61@156.481,44.263 v1(156.481,49.641) v1@156.603,49.762 ; P1_IO4.61@207.357,44.267 v1(207.357,49.645)
  Bottom Layer w0.178: v1(54.932,49.619) 57.271,51.958 65.818,51.958 75.978,41.798 105.76,41.798 ; v1(105.76,49.553) 105.76,41.798 ; v1(156.481,49.641) 156.481,41.798 ; v1(207.357,49.645) 207.357,46.302 202.854,41.798 156.481,41.798 ; 105.76,41.798 156.481,41.798
CMD_RX: P1_IO1.98 P1_IO2.98 P1_IO3.98 P1_IO4.98 U2.9 | length 250.2
  Top Layer w0.178: U2.9@19.907,83.669 19.907,82.735 24.63,78.012 27.871,78.012 30.468,75.415 30.468,62.162 v1(32.798,59.832) ; P1_IO1.98@62.42,58.729 67.509,58.729 v1(68.612,59.832) ; P1_IO2.98@113.248,58.663 117.227,58.663 v1(117.38,58.816) ; P1_IO3.98@163.969,58.751 167.861,58.751 v1(167.926,58.816) ; P1_IO4.98@214.845,58.755 219.681,58.755 v1(220.25,59.324)
  Bottom Layer w0.178: v1(32.798,59.832) 33.56,60.594 47.784,60.594 51.069,57.309 58.723,57.309 59.742,58.328 62.855,58.328 64.359,59.832 v1(68.612,59.832) 69.059,60.279 96.052,60.279 98.694,57.637 109.021,57.637 109.891,58.508 117.06,58.508 117.368,58.816 v1(117.38,58.816) ; v1@117.38,58.766 122.307,58.766 123.908,60.367 149.362,60.367 150.824,58.905 156.206,58.905 157.035,58.076 160.345,58.076 161.123,58.854 167.926,58.854 176.933,58.854 178.45,60.37 199.009,60.37 204.581,54.798 215.433,54.798 219.878,59.243 220.169,59.243 v1(220.25,59.324)
CMD_TX: U2.10 U14.5 | length 31.9
  Top Layer w0.254: U2.10@19.257,83.669 19.235,83.648 19.235,82.523 21.901,79.857 21.901,69.205 19.693,66.996 19.693,61.508 23.16,58.041 23.16,55.215 U14.5@23.181,55.193
CMD_TX_IO1: P1_IO1.96 U14.4 | length 54.3
  Top Layer w0.178: v1(22.507,56.905) 22.519,56.892 22.519,55.206 U14.4@22.531,55.193 ; v1(57.5,58.008) 60.738,58.008 61.017,57.729 P1_IO1.96@62.42,57.729
  Bottom Layer w0.178: v1(22.507,56.905) 22.589,56.987 22.589,57.23 23.632,58.272 29.746,58.272 34.459,62.984 34.459,66.77 35.649,67.96 43.974,67.96 47.022,64.912 47.022,62.372 48.038,61.356 50.324,61.356 53.672,58.008 v1(57.5,58.008)
CMD_TX_IO2: P1_IO2.96 U14.3 | length 110.8
  Top Layer w0.178: U14.3@21.881,55.193 21.894,55.181 21.894,53.494 v1(21.906,53.482) ; v1(108.358,58.391) 110.522,58.391 111.249,57.663 P1_IO2.96@113.248,57.663
  Bottom Layer w0.178: v1(21.906,53.482) 21.906,57.576 23.188,58.858 29.326,58.858 33.855,63.387 33.855,67.242 35.105,68.491 95.513,68.491 98.076,65.928 98.076,61.864 101.549,58.391 v1(108.358,58.391)
CMD_TX_IO3: P1_IO3.96 U14.2 | length 159.3
  Top Layer w0.178: v1(21.207,56.905) 21.219,56.892 21.219,55.206 U14.2@21.231,55.193 ; v1(159.492,58.647) 161.576,58.647 162.473,57.751 P1_IO3.96@163.969,57.751
  Bottom Layer w0.178: v1(21.207,56.905) 21.207,57.639 22.997,59.429 29.235,59.429 33.194,63.387 33.194,67.356 34.936,69.098 95.922,69.098 96.552,68.468 147.098,68.468 148.876,66.69 148.876,62.748 151.962,59.662 158.477,59.662 v1(159.492,58.647)
CMD_TX_IO4: P1_IO4.96 U14.1 | length 215.6
  Top Layer w0.178: U14.1@20.581,55.193 20.594,55.181 20.594,53.494 v1(20.606,53.482) ; v1(211.416,57.755) P1_IO4.96@214.845,57.755
  Bottom Layer w0.178: v1(20.606,53.482) 20.606,58.308 22.252,59.954 28.77,59.954 32.533,63.718 32.533,67.521 34.734,69.722 196.644,69.722 199.676,66.69 199.676,61.73 203.652,57.755 v1(211.416,57.755)
FB: R9.1 R45.2 U4.6 U15.9 | length 22.1
  Top Layer w0.305: U15.9@20.114,20.413 R45.2@22.508,20.413 ; R9.1@22.498,19.338 R45.2@22.498,20.654
  Top Layer w0.381: v1(18.637,36.185) U4.6@19.951,36.185
  Bottom Layer w0.381: v1(18.637,36.185) 19.284,35.538 19.284,23.216 v1(22.031,20.47)